# Altium PCB SmallHat_V4.PcbDoc (continued)
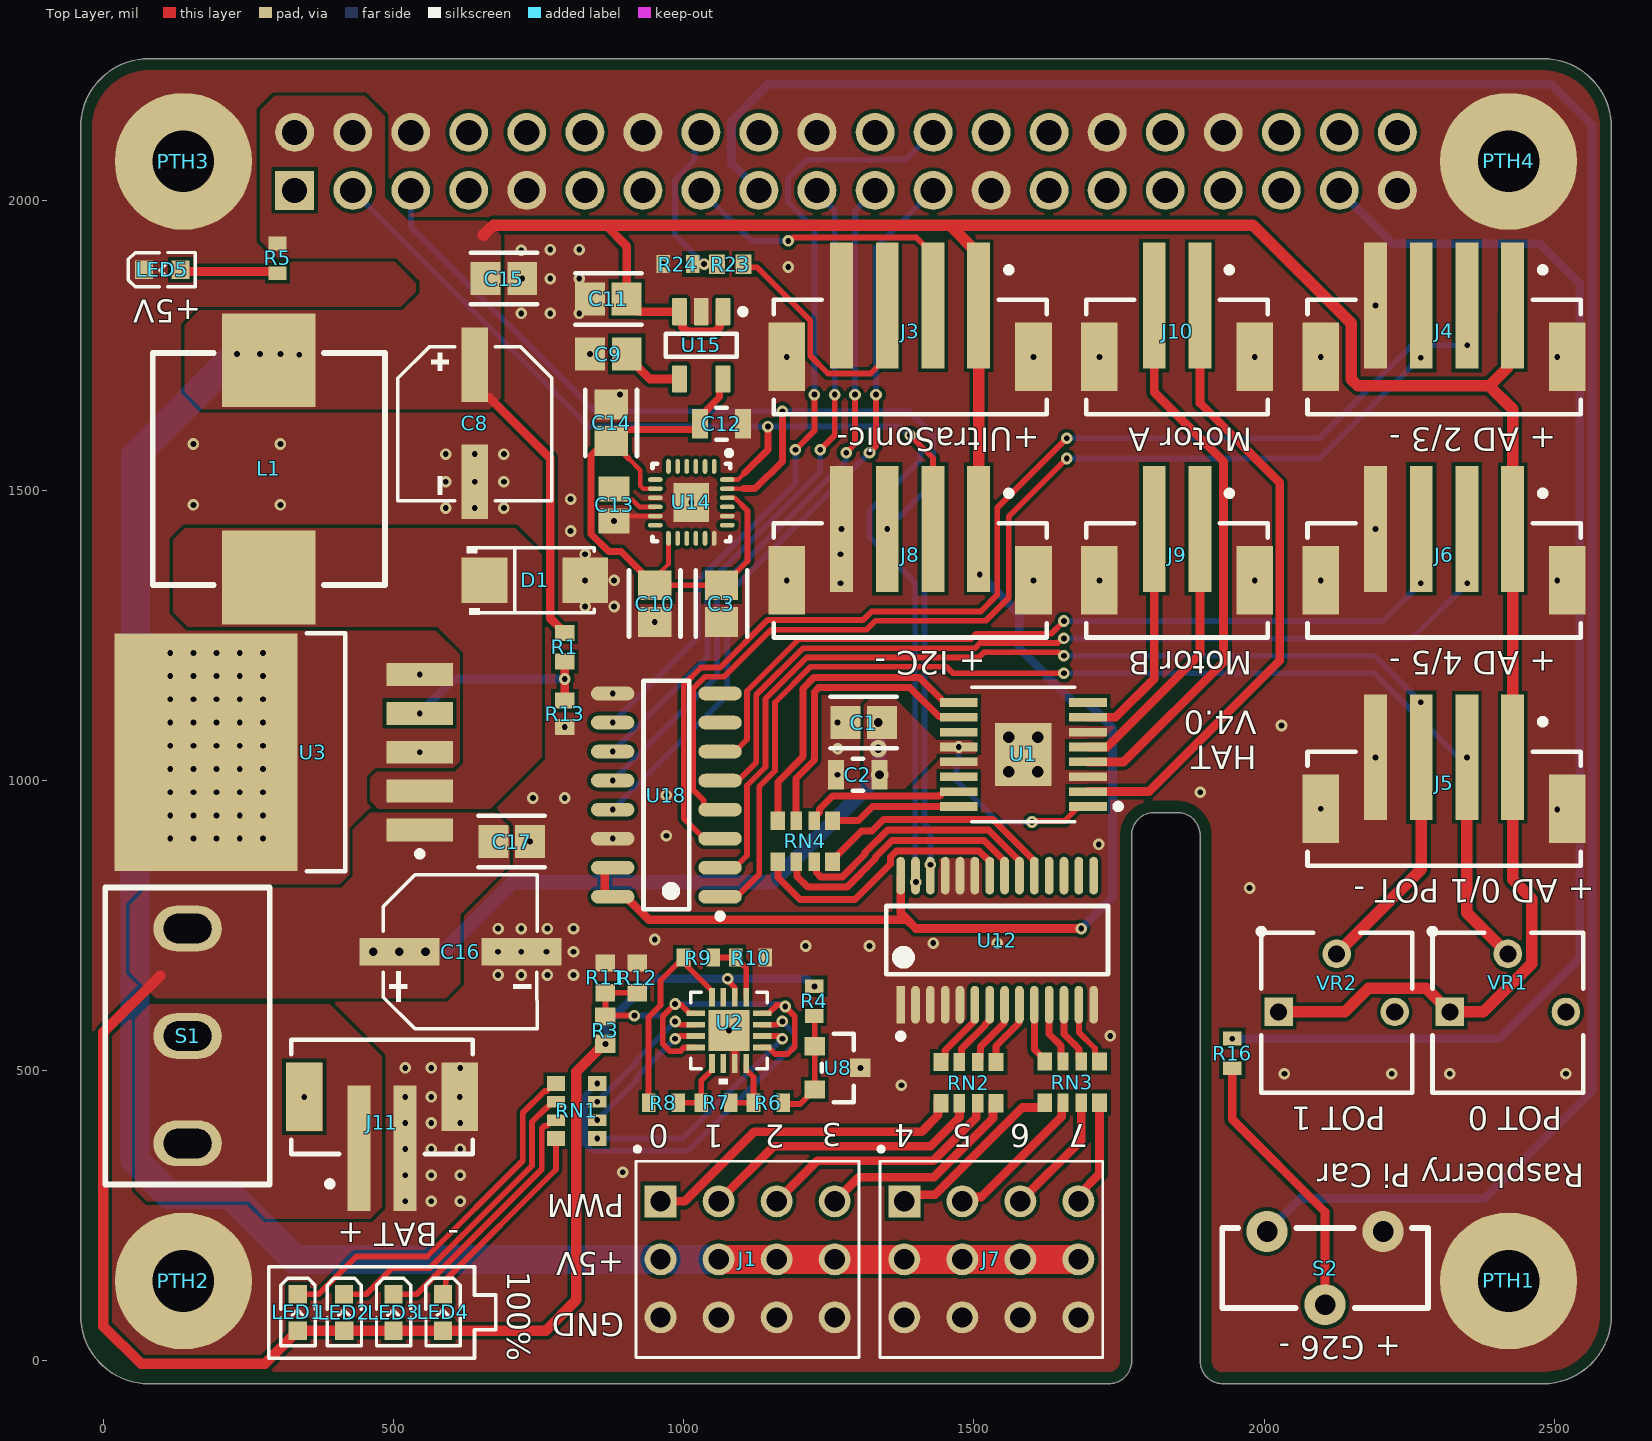
[diagram p0: Top Layer view]
## Part data
C1 C3 C10 C11 C14 C15 C17: library part CMP-2100-03606-3, "50V 100nF X7R ±10% 0805 Multilayer Ceramic Capacitors MLCC - SMD/SMT ROHS", Capacitance="100 nF", JLCPCB Part #=C1711, Manufacturer=Yageo, Package=CC0805-0.85, Part Number=CC0805KRX7R9BB104, Temperature="-30°C to +85°C", Temperature Characteristic=X7R, Temperature Range High=+85°C, Temperature Range Low=-30°C, Tolerance=0.1, Voltage Rating="50 V", Automotive=No, Category=Cap, ComponentLink2Description=Datasheet, ComponentLink2URL=http://www.yageo.com/documents/recent/UPY-GPHC_Y5V_6.3V-to-50V_8.pdf, Device Class L1="Passive Components", Device Class L2=Capacitors, Device Class L3="Ceramic Capacitors", Digikey Description="CAP CER 0.1UF 50V X7R 0805", Footprint Url=http://www.yageo.com/exep/pages/download/literatures/UPY-C_GEN_24.pdf, Height=0.95mm, Ipc Land Pattern Name=CAPC200125X85, Lead Free=Yes, Material=Ceramic, Mouser Description="Multilayer Ceramic Capacitors MLCC - SMD/SMT 100nF 50V X7R 10%", Octopart=https://octopart.com/cc0805krx7r9bb104-yageo-192993, RoHS=TRUE
C2 C12: library part CMP-2007-03541-2, "25V 10uF X5R ±10% 0805 Multilayer Ceramic Capacitors MLCC - SMD/SMT ROHS", Case Code (Imperial)=0805, Case Code (Metric)=2012, Dielectric=X5R, JLCPCB Part #=C15850, Max Operating Temperature=85°C, Min Operating Temperature=-55°C, Package Quantity=1, Part Number=GRM21BR61E106KA73L, Tolerance=10%, Voltage=25V, Capacitance=10uF, Case/Package=0805, Depth=1.25mm, Height=1.25mm, Lead Free="Lead Free", Length=2mm, Material=Ceramic, Mount="Surface Mount", Packaging="Tape and Reel", Radiation Hardening=No, Termination=SMD/SMT, Thickness=0.053inch, Voltage Rating=25V, Voltage Rating (DC)=25V, Width=0.049inch
C8: library part CMP-001-00090-1, "220uF 10V 90mA@120Hz ±20% SMD, D6.3xL5.4mm Aluminum Electrolytic Capacitors - SMD ROHS", JLCPCB Part #=C3345, Part Number=RVT1A221M0605
C9: library part CMP-2007-03708-1, "50V 10nF X7R ±10% 0805 Multilayer Ceramic Capacitors MLCC - SMD/SMT ROHS", JLCPCB Part #=C1710, Manufacturer=Kemet, Part Number=C0805F103K5RACTU
C13: library part CMP-2007-03234-1, "50V 1uF X7R ±10% 0805 Multilayer Ceramic Capacitors MLCC - SMD/SMT ROHS", JLCPCB Part #=C28323, Manufacturer=Kemet, Part Number=C0805C105K3RACTU
C16: library part CMP-001-00087-2, "100uF 16V 63mA@120Hz ±20% SMD, D6.3xL5.4mm Aluminum Electrolytic Capacitors - SMD ROHS", Capacitor Type=Electrolytic, JLCPCB Part #=C37308, Part Number=RVT1C101M0605
D1: library part CMP-004-00033-3, "40V Independent Type 3A 550mV@3A SMA(DO-214AC) Schottky Diodes ROHS", JLCPCB Part #=C8678, Part Number=SS34
J1 J7: library part CMP-023-000000-3, "2.54mm Pin Headers ROHS=Gold 1kV 3A Direct Insert Policy 2.5mm 260℃ 3mm 12P -40℃~+105℃ 6mm 2.54mm Triple row Brass 3x4P Plugin,P=2.54mm Pin Headers ROHS=2.54mm Pin Headers ROHS", JLCPCB Part #=C32713291, Package=None, Part Number=TSW-104-07-L-T, Arrow_Electronics-Purchase-URL=https://snapeda.com/shop?store=Arrow+Electronics&id=1068516, Availability=Unavailable, Centerline_Pitch="2.54 mm[.1 in]", Component Type=Standard, Design Item ID=5-103817-2, DigiKey-Purchase-URL=https://snapeda.com/shop?store=DigiKey&id=1068516, EU_RoHS_Compliance=Compliant, MF="TE Connectivity", Mouser-Purchase-URL=https://snapeda.com/shop?store=Mouser&id=1068516, MP=5-103817-2, Number_of_Positions=12, Pin Count=12, Price=None, Product_Type=Connector, SnapEDA_Link=https://www.snapeda.com/parts/5-103817-2/TE%20Connectivity%20AMP%20Connectors/view-part/1068516/?ref=snap, Source=5-103817-2.SchLib
J2: library part CMP-002-00076-7, "2.54mm 2.54mm Double Row 40P Brass Direct Insert 2x20P Plugin,P=2.54mm Female Headers ROHS", JLCPCB Part #=C35165, Part Number=2.54-2*20P母长PC104
J3 J4 J5 J6 J8: library part CMP-002-00074-1, "2.0mm pitch/Disconnectable Insulation displacement and Crimp style connectors", JLCPCB Part #=C160354, Part Number=B4B-PH-SM4-TB(LF)(SN)
J9 J10 J11: library part CMP-002-00073-1, "1x2P 2P PH Tin 2 -25℃~+85℃ 2A 1 2mm Brass Alloy Standing paste SMD,P=2mm Wire To Board Connector ROHS", JLCPCB Part #=C160352, Part Number=B2B-PH-SM4-TB
L1: library part CMP-006-00021-2, "3.7A 47uH Integrated molded inductor ±20% 4.5A SMD,10x11.5mm Power Inductors ROHS", JLCPCB Part #=C5359268, Part Number=FXL1050-470-M
LED1 LED2 LED3 LED4 LED5: library part CMP-007-00038-5, "-40℃~+85℃ Red 0603 LED Indication - Discrete ROHS", JLCPCB Part #=C2286, Part Number=KT-0603R
PTH1 PTH2 PTH3 PTH4: library part CMP-00030-00001-4, "DO NOT PLACE", P&P Comment="NO NOT PLACE"
R1: library part CMP-2000-00466-1, "100mW Thick Film Resistors 75V ±100ppm/℃ ±1% 3.74kΩ 0603 Chip Resistor - Surface Mount ROHS", JLCPCB Part #=C137728, Manufacturer=Panasonic, Part Number=ERJ-3EKF3741V
R3: library part CMP-2000-00046-1, "100mW Thick Film Resistors 75V ±100ppm/℃ ±1% 36kΩ 0603 Chip Resistor - Surface Mount ROHS", JLCPCB Part #=C23147, Manufacturer=Panasonic, Part Number=ERA3AEB363V
R4 R5 R16 R24: library part CMP-2000-06937-1, "100mW Thick Film Resistors 75V ±100ppm/℃ ±1% 2kΩ 0603 Chip Resistor - Surface Mount ROHS", JLCPCB Part #=C22975, Manufacturer=Yageo, Operating Temperature=-55°C~155°C, Package / Case=0603(1608Metric), Package Description="2-Pin Surface Mount Device, Body 1.6 x 0.8 mm", Package Reference=0603, Part Number=RC0603FR-072KL, Power (Watts)=0.1W,1/10W, Standard Package=1, Temperature Coefficient=±100ppm/°C, Tolerance=±1%, Catalog Drawings=ThickFilmResistorTopThickFilmResistorSide, Category=Resistors, Composition=ThickFilm, Datasheet URL=http://www.yageo.com/documents/recent/PYu-RC_Group_51_RoHS_L_7.pdf, Datasheet Version="Rev. 7, 05/2017", EDA / CAD Models=DownloadfromAcceleratedDesigns, Family=ChipResistor-SurfaceMount, Features=MoistureResistant, Height="0.022\"(0.55mm)", HTML Datasheet=RCSeries,LSuffixDatasheet.html, Kits=PHH4-KIT-ND-RESKIT1K-9.76K1/10W5700PCS, Manufacturer URL=http://www.yageo.com/, Mounting Technology=SurfaceMount, Number of Terminations=2, Online Catalog=RC0603Series, Other Names=311-2.00KHRCT, Packaging=CutTape(CT), PCN Other=RC/AC0603/0805/120622/Jan/2013, Product Training Modules=ChipResistor, Resistance (Ohms)=2k, Series=RC, Size / Dimension="0.063\"Lx0.031\"W(1.60mmx0.80mm)", Supplier Device Package=0603
R6: library part CMP-2000-06933-1, "100mW Thick Film Resistors 75V ±100ppm/℃ ±1% 27kΩ 0603 Chip Resistor - Surface Mount ROHS", Case Code - in=0603, Case Code - mm=1608, JLCPCB Part #=C22967, Manufacturer=Yageo, Operating Temperature Range=-55Cto+155C, Package Description="2-Pin Surface Mount Device, Body 1.6 x 0.8 mm", Part Number=RC0603FR-0727KL, Power Rating=100mW, Resistance=27kOhms, Temperature Coefficient=100PPM/C, Tolerance=1%, Voltage Rating=50V, Datasheet URL=http://www.yageo.com/documents/recent/PYu-RC_Group_51_RoHS_L_7.pdf, Datasheet Version="Rev. 7, 05/2017", Manufacturer URL=http://www.yageo.com/, Mounting Technology=SurfaceMount, Package Reference=0603, Packaging=Reel, Product=ThickFilmResistorsGeneralPurpose, Series=RC, Termination Style=SMD/SMT
R7 R8 R9: library part CMP-2000-04040-1, "100mW Thick Film Resistors 75V ±100ppm/℃ ±1% 3kΩ 0603 Chip Resistor - Surface Mount ROHS", JLCPCB Part #=C4211, Manufacturer=Yageo, Part Number=RC0603FR-073KL
R10: library part CMP-2000-06938-1, "100mW Thick Film Resistors 75V ±100ppm/℃ ±1% 33kΩ 0603 Chip Resistor - Surface Mount ROHS", Case Code - in=0603, Case Code - mm=1608, JLCPCB Part #=C4216, Manufacturer=Yageo, Operating Temperature Range=-55Cto+155C, Package Description="2-Pin Surface Mount Device, Body 1.6 x 0.8 mm", Part Number=RC0603FR-0733KL, Power Rating=100mW, Resistance=33kOhms, Temperature Coefficient=100PPM/C, Tolerance=1%, Voltage Rating=50V, Datasheet URL=http://www.yageo.com/documents/recent/PYu-RC_Group_51_RoHS_L_7.pdf, Datasheet Version="Rev. 7, 05/2017", Manufacturer URL=http://www.yageo.com/, Mounting Technology=SurfaceMount, Package Reference=0603, Packaging=Reel, Product=ThickFilmResistorsGeneralPurpose, Series=RC, Termination Style=SMD/SMT
R11 R12: library part CMP-1012-00650-3, "100mW Thick Film Resistors 75V ±100ppm/℃ ±1% 18kΩ 0603 Chip Resistor - Surface Mount ROHS", JLCPCB Part #=C25810, Manufacturer=Panasonic, Part Number=ERJ3EKF1802V
R13 R23: library part CMP-2000-02979-1, "100mW Thick Film Resistors 75V ±100ppm/℃ ±1% 1.13kΩ 0603 Chip Resistor - Surface Mount ROHS", JLCPCB Part #=C137782, Manufacturer="Vishay Dale", Part Number=CRCW06031K13FKEA
RN1: library part CMP-009-00177-2, "4 ±5% 10kΩ 62.5mW ±200ppm/℃ 0603x4 Resistor Networks, Arrays ROHS", JLCPCB Part #=C29718, Part Number=4D03WGJ0103T5E, RoHS Compliant=Yes
RN2 RN3 RN4: library part CMP-009-00185-2, "4 ±5% 100Ω 62.5mW ±200ppm/℃ 0603x4 Resistor Networks, Arrays ROHS", JLCPCB Part #=C25506, Part Number=4D03WGJ0101T5E, RoHS Compliant=Yes
S1: library part CMP-011-00018-2, "Horizontal Plug 6A Single Pole Double Throw (SPDT) 120V 120V 6A 10000 times Black Plugin Slide Switches ROHS", JLCPCB Part #=C2879832, Part Number=SS-12M11G3
S2: library part CMP-011-00015-2, "300mA Direct Insert Single Pole Double Throw (SPDT) 6V 10,000 times Black Plugin Slide Switches ROHS", JLCPCB Part #=C145860, Part Number=K3-1235D-K1
U1: library part CMP-00024-00008-1, "1.65-V to 11-V, 4-A, dual H-bridge motor driver with current regulation 16-HTSSOP -40 to 125", JLCPCB Part #=C18212622, Part Number=PDRV8411PWPR
U2: library part CMP-014-00002-6, "Operational Amplifier, 4 Func, 9000uV Offset-Max, BIPolar, PQCC16", Case/Package=HVQCCN, JLCPCB Part #=C183029, Max Operating Temperature=70°C, Min Operating Temperature=0°C, Nominal Supply Voltage=5V, Channels=4, Part Number=LM324QT, Pins=16, RoHS Compliant=Yes
U3: library part CMP-0069-00272-2, "Step-down type Adjustable 40V 1.2V~37V 3A TO-263-5 DC-DC Converters ROHS", JLCPCB Part #=C347423, Manufacturer="National Semiconductor", PackageTopMarking="NSUZXYTTE#*LM2596S*-ADJ P+", PowerWise=N, Code_JEDEC=MO-169-AB, ComponentLink1Description="LM2596 Datasheet", ComponentLink1URL=http://www.national.com/ds/LM/LM2596.pdf, ComponentLink2Description="LM2596 Web Page", ComponentLink2URL=http://www.national.com/pf/LM/LM2596.html, ComponentLink3Description="TS5B Package Page", ComponentLink3URL=http://www.national.com/packaging/folders/ts5b.html, CompType=Switcher, DatasheetVersion=May-2002, PackageDescription="TO-263, Molded, .400 x .390 x .180in, 5 Lead, .067in Pitch, Surface Mount", PackageReference=TS5B, PackageVersion="revD, Apr-2005", Part Number=LM2596S-ADJ(UMW), PinCount=5, RevisionNote="Component URLs added", RoHS=N
U8: library part CMP-12755-000001-1, "2.495V~36V ±1% 100mA Adjustable SOT-23 Voltage Reference ROHS", Ambient Temperature Range High=+125°C, Ambient Temperature Range Low=-40°C, JLCPCB Part #=C145101, Manufacturer="DIODES INC.", Max Junction Temp=+150°C, Max Power Dissipation=330mW, Package=SOT23, Temperature="to +150°C", Automotive=No, Category=IC, ComponentLink2Description=Datasheet, ComponentLink2URL=https://www.diodes.com/assets/Datasheets/TL431_432.pdf, Device Class L1="Integrated Circuits (ICs)", Device Class L2="Power Management ICs", Device Class L3="Voltage References", Digikey Description="IC VREF SHUNT ADJ SOT23-3", Footprint Url=https://www.diodes.com/assets/Package-Files/SOT23.pdf, Height=1.1mm, Ipc Land Pattern Name=SOT92P240X102-3, Lead Free=Yes, Manufacturer Part Number=TL431ASA-7, Mouser Description="V-Ref Adjustable 2.495V to 36V 100mA 3-Pin SOT-23 T/R", Octopart=https://octopart.com/tl431asa-7-diodes+inc.-18832779, Output Type=AdjustableProgrammable, Part Number=TL431ASA-7, Reference Type=Shunt, RoHS=TRUE, Standoff Height=0.013mm, Temperature Range High=+150°C
U12: library part CMP-1595-00003-3, "IC LED DRIVER RGBA 28-TSSOP", Ambient Temperature Range High=+85°C, Ambient Temperature Range Low=-40°C, JLCPCB Part #=C2678753, Manufacturer="NXP Semiconductors", Max Power Dissipation=400mW, Max Supply Voltage=5.5V, Min Supply Voltage=2.3V, Nominal Supply Current=6mA, Output Current=25mA, Output Voltage=5V, Package=SOT361-1, Temperature="-40°C to +85°C", Automotive=No, Category=IC, Ciiva Ids=1426473, ComponentLink2Description=Datasheet, ComponentLink2URL=https://www.nxp.com/docs/en/data-sheet/PCA9685.pdf, Device Class L1="Integrated Circuits (ICs)", Device Class L2="Power Management ICs", Device Class L3="LED Drivers", Digikey Description="IC LED DRIVER RGBA 28-TSSOP", Dimming=I2C,PWM, Footprint Url=https://www.nxp.com/docs/en/package-information/SOT361-1.pdf, Height=1.1mm, Import Ts=1521846855, Lead Free=Yes, Manufacturer Part Number=PCA9685PW,118, Mouser Description="LED Display Drivers I2C Bus LED Controller 28-Pin", Number Of Outputs=16, Octopart=https://octopart.com/pca9685pw%2C118-nxp+semiconductors-11853435, Part Number=PCA9685PW,118, Release Date=1454319143, RoHS=TRUE, Standoff Height=0.05mm, Temperature Range High=+85°C, Temperature Range Low=-40°C
U14: library part CMP-031-00007-7, "Accelerometer and Gyroscope Compass 9-Axis Digital 24-Pin QFN T/R", Case/Package=QFN, JLCPCB Part #=C726001, Max Operating Temperature=85°C, Max Supply Voltage=3.6V, Min Operating Temperature=-40°C, Min Supply Voltage=1.71V, Mounting Technology="Surface Mount", Part Number=ICM-20948
U15: library part CMP-0394-00328-2, "200mA 70dB Fixed 1.8V Positive electrode 5.5V SOT-23-5 Voltage Regulators - Linear, Low Drop Out (LDO) Regulators ROHS", JLCPCB Part #=C7102, Manufacturer="Texas Instruments", Rating=Catalog, Accuracy(%)=2, Code_JEDEC=MO-178, ComponentLink1Description="Manufacturer URL", ComponentLink1URL=http://www.ti.com/, ComponentLink2Description=Datasheet, ComponentLink2URL=http://www.ti.com/general/docs/lit/getliterature.tsp?genericPartNumber=TPS79318&fileType=pdf, ComponentLink3Description="Package Specification", ComponentLink3URL=http://www.ti.com/litv/pdf/mpds018i, DatasheetVersion=SLVS348K, Eco-Plan="Green (RoHS & no Sb/Br)", Fixed Output Options(V)=1.8, Iout(Max)(A)=0.2, Iq(Typ)(mA)=0.2, Mounting Technology="Surface Mount", PackageDescription="5-Pin Plastic Small Outline, Body 1.60 Ãƒâ€” 2.90 mm, Pitch 0.95 mm", PackageReference=DBV0005A, PackageVersion=4073253-4/K, Part Number=TPS79318DBVR, SubFamily="Single Channel LDO", Vdo(Typ)(mV)=112, Vin(Max)(V)=5.5, Vin(Min)(V)=2.7, Vout Adj(Max)(V)=1.8, Vout Adj(Min)(V)=1.8
U18: library part CMP-0188-00041-2, "2.7V 4-Channel/8-Channel 10-Bit A/D Converters with SPI Serial Interface, 16-Pin SOIC 150mil, Industrial Temperature", Code_IPC=SOIC127P600-16, Code_JEDEC=MS-012-AC, ComponentLink1Description="Manufacturer URL", ComponentLink1URL=http://www.microchip.com/, ComponentLink2Description=Datasheet, ComponentLink2URL=http://ww1.microchip.com/downloads/en/DeviceDoc/21295d.pdf, ComponentLink3Description="Package Specification", ComponentLink3URL=http://www.microchip.com/stellent/groups/techpub_sg/documents/packagingspec/en012702.pdf, DatasheetVersion="revD, Dec-2008", PackageDescription="16-Lead Plastic Small Outline (SL) - Narrow, 3.90mm Body [SOIC]", PackageReference=SOIC-SL16, PackageVersion="revBB, Aug-2009", RevisionNote="URLs added."
VR1 VR2: library part CMP-00001-1, "±10% ±100ppm/℃ 500mW 10kΩ Plugin-3P,7x6.6mm Potentiometers, Variable Resistors ROHS", Case/Package=2628, JLCPCB Part #=C58159, Max Operating Temperature=125°C, Min Operating Temperature=-55°C, Package Height=4.7mm, Package Length=6.6mm, Package Shape=Rectangular, Package Width=6.99mm, Power=500mW, Rated Temperature=70°C, Resistance Law=Linear, Resistor Type=TRIMMER, Temperature Coefficient (ppm/Cel)=-100,100, Tolerance=10%, Actuator Orientation=Vertical, Actuator Type=SCREW, Construction="Trimmer Pot", JESD-609 Code=e3, Lead Diameter=0.46mm, Lead Length=5.46mm, Mounting Technology="Through Hole", Number of Turns=1, Packaging=Rail/Tube, Part Number=3362P-1-103LF, Pins=3, Reach SVHC Compliant=Yes, RoHS Compliant=Yes, Rotational Angle=240°, Technology=CERMET, Terminal Finish=Tin, Termination=Wire

## Via types
v1: diameter 20, hole 10, Top Layer to Bottom Layer, 220 vias
v2: diameter 30, hole 15, Top Layer to Bottom Layer, 6 vias
v3: diameter 40, hole 20, Top Layer to Bottom Layer, 4 vias

## Nets (pads, with @x,y where several pads share a name; then routed paths per layer and width w, separated by ;. In a path a pad name is that pad's centre, name@x,y a point inside that pad or via, vN(x,y) a via of type N, cw(c..) or ccw(c..) an arc to the next point about the centre after c; other vN are vias at no path point)
1.8V: C3.2 C10.1 C12.1 C14.2 U14.8 U14.13 U14.22 U15.5 | length 1122.7
  Top Layer w8: 905,1555 925,1535 925,1507.68 929.69,1502.99 U14.8 ; C10.1@951.94,1351.53 973.62,1373.21 U14.13 ; U14.22 1075.06,1487.18 1087.82,1487.18 1100,1475
  Top Layer w10: C14.2@854.97,1567.95 854.97,1571.52 854.97,1588.29 866.71,1588.29 C14.2@870.26,1584.74 ; C14.2@877.98,1585 898.67,1564.32 898.67,1561.33 905,1555 ; C10.1@950,1350 C10.1 1067.98,1336.53 1110,1378.54 1110,1465 1100,1475
  Top Layer w12: C10.1 936.35,1350.18 933.36,1350.18 927.33,1356.21 927.33,1359.19 892.16,1394.37 870.7,1394.37 840,1425.07 840,1560.12 851.4,1571.52 854.97,1571.52 861.52,1571.52 C14.2 894.68,1604.68 1019.82,1604.68 1027.6,1612.46 C12.1 ; C12.1@1036.38,1635.59 1061.68,1660.9 1061.68,1686.21 U15.5
1IN+: R9.2 R10.2 U2.1 | length 117.1
  Top Layer w10: R9.2 R10.2 1089.41,691.06 1096.22,684.25 1100.16,684.25 1107.53,676.88 U2.1
1OUT: RN1.4 U2.15 | length 640.3
  Top Layer w10: U2.15 1161.66,579.37 1167.29,585 v1(1170,585)
  Bottom Layer w10: v1(850.87,477.99) 829.57,456.69 829.57,374.69 842.05,362.21 1007.33,362.21 1191.3,546.18 1191.3,563.82 1170.12,585 v1(1170,585)
2IN+: R8.2 R9.1 U2.4 | length 363.6
  Top Layer w10: R8.2 939.41,592.16 960,612.75 960,655.59 R9.1 1006.22,688.19 1006.22,679.78 1048.47,637.53 U2.4
2OUT: RN1.3 U2.6 | length 232.4
  Top Layer w10: v1(985.06,584.94) 987.77,584.94 993.34,579.37 U2.6
  Bottom Layer w10: v1(850.87,446.5) 917.56,513.19 917.56,517.68 984.82,584.94 v1(985.06,584.94)
3.3V: J2.1 J2.17 S2.3 | length 4002.2
  Bottom Layer w15: J2.17 1082.26,2064.19 1082.26,2136.51 1145.76,2200 2494.59,2200 2565,2129.59 2565,465 2380,280 2062.01,280 S2.3
3IN+: R7.2 R8.1 U2.9 | length 114.6
  Top Layer w10: R8.1 R7.2 1030,483.06 1048.47,501.53 U2.9
3OUT: RN1.2 U2.7 | length 233.5
  Top Layer w10: v1(985,555) 987.71,555 992.39,559.69 U2.7
  Bottom Layer w10: v1(850.87,415) 918.61,482.74 918.61,488.61 v1(985,555)
4IN+: R6.2 R7.1 U2.12 | length 111.5
  Top Layer w10: R7.1 R6.2 1120,489.06 1107.53,501.53 U2.12
4OUT: RN1.1 U2.14 | length 427.1
  Top Layer w10: U2.14 1162.61,559.69 1167.29,555 v1(1170,555)
  Bottom Layer w10: v1(850.87,383.51) 998.51,383.51 v1(1170,555)
5V: C8.1 C11.1 C15.1 J1.5 J1.6 J1.7 J1.8 J2.2 J2.4 J3.1 J4.1 J5.1 J6.1 J7.5 J7.6 J7.7 J7.8 J8.1 L1.2 R1.1 R5.2 U12.28 U15.1 U15.3 U18.15 U18.16 VR1.1 VR2.1 | length 9942.1
  Top Layer w15: 665,1660 770,1555 770,1279.61 785.77,1263.84 785.77,1260.89 792.05,1254.61 R1.1 ; U18.16@863.7,800 U18.15@863.7,850 ; 865,1957.22 901.53,1920.69 C11.1 ; U18.16 900.74,800 907.38,793.36 907.38,792.62 940,760 1385,760 ; C11.1@901.53,1827.02 919.71,1808.83 922.69,1808.83 923.46,1808.07 U15.3 997.89,1802.78 997.89,1781.74 1006.68,1772.95 1053.32,1772.95 1062.11,1781.74 1062.11,1802.78 U15.1 ; U12.28 1373.66,771.34 1385,760 ; v1(1685,745) 1400,745 1385,760
  Top Layer w20: 655,1940 672.22,1957.22 865,1957.22 1458.06,1957.22 ; J8.1 J3.1 1508.11,1907.17 1458.06,1957.22 ; VR2.1 2138.9,601.38 2179.8,642.28 2279.09,642.28 VR1.1 2377.85,601.38 2460.91,684.43 2460.91,796.69 2428.11,829.48 J5.1 J6.1 2428.11,1639.56 2387.67,1680 ; J4.1 2418.43,1808.9 2418.43,1710.76 2387.67,1680 ; 1458.06,1957.22 1980.54,1957.22 2150,1787.75 2150,1691.72 2161.72,1680 2387.67,1680
  Top Layer w50: J1.6 J1.7 J1.8 J7.5 J7.6 J7.7 J7.8
  Bottom Layer w15: v1(1510,1355) 1578.05,1286.95 1578.05,1228.29 1671.34,1135 1695,1135 1738.8,1091.2 1738.8,798.8 v1(1685,745)
  Bottom Layer w50: v1@340,1735 v1(305,1735) v1(270,1735) v1(230,1735) 55,1560 55,885 54.65,884.65 54.65,345.65 113.09,287.2 217.8,287.2 330,175 J1.5 J1.6
  other v1: 337.37,1733.92
AD0: J5.2 U18.1 VR1.2 | length 2012
  Top Layer w10: U18.1@1091.3,800 1130,838.7 1130,989.83 1157,1016.83 1157,1134.47 1218.53,1196 1452.9,1196 1463.9,1185 v1(1655,1185)
  Top Layer w20: v1(2349.37,1040) 2349.37,772.01 VR1.2
  Bottom Layer w10: v1(1655,1185) 2189.88,1185 2334.45,1040.43 2348.94,1040.43 v1(2349.37,1040)
AD1: J5.3 U18.2 VR2.2 | length 2003.6
  Top Layer w10: U18.2@1091.3,850 1092.56,851.26 1092.56,854.45 1108.92,870.81 1108.92,991.38 1141,1023.46 1141,1141.1 1211.9,1212 1508.25,1212 1517.25,1221 1646.29,1221 1652.29,1215 v1(1655,1215)
  Top Layer w20: VR2.2 2270.63,847.01 J5.3 2270,1040.63 v1(2270,1135)
  Bottom Layer w10: v1(1655,1215) 2190,1215 v1(2270,1135)
AD2: J4.2 U18.3 | length 1987.2
  Top Layer w10: U18.3 1035,900 1000.12,934.88 1000.12,1165.25 1029.87,1195 1062.71,1195 1144.66,1276.94 1309.32,1276.94 1323.87,1291.5 1511.5,1291.5 1540,1320 1540,1470 v1(1660,1590)
  Bottom Layer w10: v1(1660,1590) 2095,1590 2255,1750 v1(2350,1750)
AD3: J4.3 U18.4 | length 1826.4
  Top Layer w10: U18.4@1076.3,950 1040.8,950 1034.51,956.29 1034.51,965.49 1016.12,983.88 1016.12,1158.62 1036.5,1179 1069.34,1179 1150.34,1260 1315,1260 1330.5,1275.5 1520.5,1275.5 1560,1315 1560,1455 v1(1660,1555)
  Bottom Layer w10: v1(1660,1555) 2095,1555 2268.7,1728.7 v1(2270,1728.7)
AD4: J6.2 U18.5 | length 1482.9
  Top Layer w10: U18.5@1076.3,1000 1094.02,1000 1125,1030.98 1125,1147.72 1205.28,1228 1501.63,1228 1510.63,1237 1644.42,1237 1652.35,1244.94 v1(1655.06,1244.94)
  Bottom Layer w10: v1(1655.06,1244.94) 2254.94,1244.94 v1(2350,1340)
AD5: J6.3 U18.6 | length 1362.7
  Top Layer w10: U18.6@1076.3,1050 1088.11,1050 1109,1070.89 1109,1154.35 1198.65,1244 1495,1244 1504,1253 1633,1253 v1(1655,1275)
  Bottom Layer w10: v1(1655,1275) 2205,1275 v1(2270,1340)
AD6: U18.7
AD7: U18.8
B+: J11.1 S1.2 S1.3
B+SW: C1.1 C2.1 C16.1 C17.1 LED1.2 LED2.2 LED3.2 LED4.2 R3.2 R4.2 S1.1 U1.1 U1.12 U2.2 U3.1 | length 3882.2
  Top Layer w10: v1(1075.54,658.65) 1075.54,655.95 1087.84,643.64 U2.2 ; v1(1600,928.66) 1601.92,930.57 1656.09,930.57 1679.33,953.82 U1.1@1700,953.82
  Top Layer w18: 97.59,663.72 0,566.13 0,60 65,-5 277.95,-5 LED1.2 LED2.2 LED3.2 LED4.2 762.04,52.04 815,105 815,498.35 863.03,546.38 v1(865,546.38)
  Bottom Layer w10: v1(1473.76,1057.8) 1473.76,1029.43 1470,1025.66 1470,1000 1541.34,928.66 v1(1600,928.66)
  Bottom Layer w15: v1(865,546.38) 865.22,546.6 865.22,578.88 944.99,658.65 v1(1075.54,658.65) 1210,658.65 1223.65,645 v1(1225,645)
  Bottom Layer w25: v2(465,705) v2(509.77,705) v2(555,705) 585.73,705 705.73,825 1152.4,825 v2(1337.4,1010) 1336.45,1010.96 1336.45,1052.2 1335,1053.65 v2(1335,1055) v2(1335,1100)
Echo: J3.3 R23.2 | length 462.3
  Top Layer w10: R23.2 1108.2,1884.44 1126.24,1884.44 1217.9,1792.78 1217.9,1731.89 1248.48,1701.32 1321.94,1701.32 1350.63,1730 J3.3
FB: R1.2 R13.1 U3.4 | length 336.8
  Top Layer w15: R13.1 v1(795,1175) R1.2@795,1199.92
  Bottom Layer w15: v1(545,1115.79) 604.21,1175 v1(795,1175)
GND: C1.2 C2.2 C3.1 C8.2 C9.1 C10.2 C11.2 C12.2 C13.2 C14.1 C15.2 C16.2 C17.2 D1.2 J1.9 J1.10 J1.11 J1.12 J2.6 J2.9 J2.14 J2.20 J2.25 J2.30 J2.34 J2.39 J3.4 J3.5 J3.6 J4.4 J4.5 J4.6 J5.4 J5.5 J5.6 J6.4 J6.5 J6.6 J7.9 J7.10 J7.11 J7.12 J8.4 J8.5 J8.6 J9.3 J9.4 J10.3 J10.4 J11.2 J11.3 J11.4 LED5.1 PTH1.0 PTH2.0 PTH3.0 PTH4.0 R10.1 R11.1 R12.1 R13.2 R24.1 S2.1 U1.3 U1.6 U1.13 U1.17 U2.11 U2.17 U3.3 U3.5 U3.6 U8.3 U12.1 U12.2 U12.3 U12.4 U12.5 U12.14 U12.23 U12.24 U12.25 U14.9 U14.11 U14.18 U14.20 U14.25 U15.2 U18.9 U18.14 | length 125.3
  Top Layer w8: v1(880,1447.44) 888.31,1455.75 U14.11@940.75,1455.75
  Top Layer w10: v1(1078,569.53) 1087.84,559.69 U2.11
  other v1: 520,275 565,275 615,275 520,320 565,320 615,320 895,325 520,365 565,365 615,365 520,410 565,410 615,410 346.14,455 520,455 565,455 613.86,455 1375,475 2035,495 2220,495 2320,495 2520,495 520,505 565,505 615,505 1304.37,505 1735,560 680,665 720,665 765,665 810,665 680,705 720,705 763.43,705 810,705 1210,715 1320,715 1430,720 1540,720 950,726.2 680,745 720,745 765,745 810,745 1975,815 1715,890 735,895 115,900 155,900 195,900 235,900 275,900 877.48,900 970,905 115,940 155,940 195,940 235,940 275,940 2505,950 2097.4,951.42 740,970 795,970 970,975 115,980 155,980 195,980 235,980 275,980 1890,980 1265,1010 115,1020 155,1020 195,1020 235,1020 275,1020 2191.89,1040 545,1048.86 1265,1055 115,1060 155,1060 195,1060 235,1060 275,1060 795,1092.36 2030,1095 115,1100 155,1100 195,1100 235,1100 275,1100 1265.09,1100 115,1140 155,1140 195,1140 235,1140 275,1140 877.48,1150 115,1180 155,1180 195,1180 235,1180 275,1180 545,1182.72 115,1220 155,1220 195,1220 235,1220 275,1220 950,1273.47 830,1300 880,1300 1270,1340 830,1345 880,1345 1177.4,1345 1602.6,1345 1716.14,1345 1983.86,1345 2097.4,1345 2505,1345 830,1390 1270,1390 805,1430 1271.89,1433.58 2191.89,1433.58 590,1469.76 640,1469.76 690,1469.76 155,1475 305,1475 1012.99,1479.37 805,1485 590,1515 640,1515 690,1515 590,1562.6 640,1562.6 690,1562.6 155,1580 305,1580 890,1665 1177.4,1730 1602.6,1730 1716.14,1730 1983.86,1730 2097.4,1730 2505,1730 838.5,1735 720,1805 770,1805 820,1805 2191.89,1818.58 721.53,1865 770,1865 820,1865 1180,1885 964.41,1890 720,1913.7 770,1915 820,1915
  other v3: 1560,1015 1610,1015 1560,1075 1610,1075
"GPIO00 (I2C0_SDA)": J2.27
"GPIO01 (I2C0_SCL)": J2.28
"GPIO02 (I2C1_SDA)": J2.3 J8.2 U12.27 U14.24 | length 2281.6
  Top Layer w8: U14.24@1083.8,1518.8 1093.8,1518.8 1105,1530
  Top Layer w10: v1(1390,1595) 1429.37,1555.63 J8.2
  Top Layer w12: 1105,1530 1145,1570 v1(1145,1610)
  Bottom Layer w10: J2.3 836.46,1610 v1(1145,1610) 1372.29,1610 1387.29,1595 v1(1390,1595) 1407.05,1577.95 1407.05,1552.05 1320,1465 1320,1420 1399,1341 1399,826 v1(1400,825)
"GPIO03 (I2C1_SCL)": J2.5 J8.3 U12.26 U14.23 | length 2173.3
  Top Layer w8: U14.23 1102.99,1502.99
  Top Layer w10: U12.26 1424.92,836.31 1424.92,854.92 v1(1425,855)
  Top Layer w12: 1102.99,1502.99 1122.99,1502.99 1170,1550 v1(1170,1636.3)
  Bottom Layer w10: J2.5 529.76,2016.7 529.76,1953.46 846.93,1636.3 v1(1170,1636.3) 1388.7,1636.3 1430,1595 1430,1512.95 1415,1497.95 ; v1(1350.63,1433.58) 1415,1497.95 ; v1(1425,855) 1425,915.86 1415,925.86 1415,1497.95
"GPIO04 (GPCLK)": J2.7
GPIO05: J2.29
GPIO06: J2.31
"GPIO07 (SPI0_CE1)": J2.26
"GPIO08 (SPI0_CE0)": J2.24 U18.10 | length 1382.9
  Top Layer w10: v1(1192.3,1570) 1225,1602.7 v1(1225,1665)
  Bottom Layer w10: v1(877.48,1100) 1025,1247.52 1025,1345 1192.3,1512.3 v1(1192.3,1570) ; v1(1225,1665) 1225,1951.08 1179.76,1996.32 1179.76,2037.54 1211.89,2069.67 1349.11,2069.67 1349.44,2070 1382.6,2070 J2.24
"GPIO09 (MISO)": J2.21 U18.12 | length 1204.2
  Top Layer w10: v1(1280,1565) 1295,1580 v1(1295,1665)
  Bottom Layer w10: v1(877.48,1000) 1057,1179.52 1057,1328.46 1280,1551.46 v1(1280,1565) ; v1(1295,1665) 1295,1981.75 1329.53,2016.28 J2.21
"GPIO10 (MOSI)": J2.19 U18.11 | length 1138
  Top Layer w10: v1(1235,1570) 1260,1595 v1(1260,1665)
  Bottom Layer w10: v1(877.48,1050) 1041,1213.52 1041,1338.37 1235,1532.37 v1(1235,1570) ; J2.19 1229.53,2012.22 1260,1981.75 v1(1260,1665)
"GPIO11 (SCLK)": J2.23 U18.13 | length 1295.6
  Top Layer w10: v1(1320,1565) 1331.3,1576.3 v1(1331.3,1665)
  Bottom Layer w10: v1(877.48,950) 1075,1147.52 1075,1320 v1(1320,1565) ; v1(1331.3,1665) 1331.3,1918.7 J2.23
"GPIO12 (PWM0)": J2.32
"GPIO13 (PWM1)": J2.33
"GPIO14 (UART_TX)": J2.8
"GPIO15 (UART_RX)": J2.10
GPIO16: J2.36
GPIO17: J2.11
"GPIO18 (PWM0)": J2.12
GPIO19: J2.35
GPIO20: J2.38
GPIO21: J2.40
GPIO22: J2.15 J3.2 | length 538.7
  Top Layer w10: v1(1180,1930) 1182.71,1930 1188.56,1935.85 1400.68,1935.85 1429.37,1907.17 J3.2
  Bottom Layer w10: J2.15 1116.46,1930 v1(1180,1930)
GPIO23: J2.16 R23.1 R24.2 | length 308.1
  Top Layer w10: R24.2 v1(1035,1890) R23.1
  Bottom Layer w10: J2.16 1018.64,2106.04 1018.64,2069.34 984.76,2035.47 984.76,1940.24 v1(1035,1890)
GPIO24: J2.18
GPIO25: J2.22
GPIO26: J2.37 R16.1 | length 2299.7
  Bottom Layer w15: v1(1945,555) 2405,555 2544,694 2544,1856 2475,1925 2221.46,1925 J2.37
GPIO27: J2.13
IN-: R3.1 R11.2 R12.2 U2.5 U2.8 U2.13 U2.16 | length 788.2
  Top Layer w10: v1(915,595) 866.38,595 R3.1 R11.2 R12.2 ; U2.8 1000.12,540 993.82,533.7 976.18,533.7 963.7,546.18 963.7,593.82 984.88,615 v1(985,615) 986.91,613.09 995.97,613.09 1010,599.06 U2.5 ; U2.13 1146,540 1157.3,528.7 1178.82,528.7 1191.3,541.18 1191.3,593.82 1175,610.12 v1(1175,610.82) ; U2.16 1146,599.06 1160.03,613.09 v1@1173.09,613.09
  Bottom Layer w10: v1(915,595) 965,595 v1(985,615) 1168.11,615 1172.29,610.82 v1(1175,610.82)
MotorA+: J10.2 U1.4 | length 968.9
  Top Layer w15: U1.4 1758.15,1032.2 1930,1204.06 1930,1550 1810.63,1669.37 J10.2
MotorA-: J10.1 U1.2 | length 1092.8
  Top Layer w15: U1.2 1801.02,981.02 2026.85,1206.85 2026.85,1513.15 1889.37,1650.63 J10.1
MotorB+: J9.2 U1.7 | length 400
  Top Layer w15: U1.7 1743.98,1108.98 1810.63,1175.63 J9.2
MotorB-: J9.1 U1.5 | length 475.4
  Top Layer w15: U1.5 1729.64,1057.8 1889.37,1217.53 J9.1
NetC13_1: C13.1 U14.10 | length 83.9
  Top Layer w8: C13.1 897.65,1484.91 910.09,1484.91 923.5,1471.5 U14.10
NetLED1_1: LED1.1 RN1.5 | length 644
  Top Layer w10: LED1.1 370.51,115.01 435.5,180 557.69,180 722.69,345 722.69,427.5 760.52,465.34 764.4,465.34 777.05,477.99 RN1.5
NetLED2_1: LED2.1 RN1.6 | length 546.9
  Top Layer w10: LED2.1 452.74,115.01 497.74,160 562.37,160 738.69,336.31 738.69,412 761.27,434.59 762.18,434.59 774.09,446.5 RN1.6
NetLED3_1: LED3.1 RN1.7 | length 445.4
  Top Layer w10: LED3.1 540.01,115.01 755.25,330.25 755.25,400.03 760.52,405.31 764.4,405.31 774.09,415 RN1.7
NetLED4_1: LED4.1 RN1.8 | length 349.3
  Top Layer w10: LED4.1 589.89,119.89 589.89,139.89 780,330 RN1.8
NetLED5_2: LED5.2 R5.1 | length 168.5
  Top Layer w15: LED5.2@132.69,1880 LED5.2@132.96,1880 ; LED5.2@132.96,1877.2 297.2,1877.2 R5.1
NetR4_1: R4.1 R6.1 U8.1 U8.2 | length 197.8
  Top Layer w10: R6.1 1173.58,442.6 1200.63,442.6 1212.91,454.88 1212.91,456.85 1223.66,467.6 U8.2 U8.1 R4.1@1225.63,598.48
NetR16_2: R16.2 S2.2 | length 473.7
  Top Layer w15: R16.2 1945,416.69 2105,256.69 S2.2
NetRN2_5: RN2.5 U12.9 | length 115.5
  Top Layer w12: RN2.5 1537.99,542.53 1577.81,582.36 1577.81,613.19 U12.9
NetRN2_6: RN2.6 U12.8 | length 117.9
  Top Layer w12: RN2.6 1510.34,518.84 1510.34,530.78 1511.34,531.78 1511.34,541.34 1552.22,582.22 1552.22,613.19 U12.8
NetRN2_7: RN2.7 U12.7 | length 120.4
  Top Layer w12: RN2.7 1478.84,518.84 1478.84,537.91 1519.04,578.11 1519.04,579.7 1527.2,587.86 U12.7
NetRN2_8: RN2.8 U12.6 | length 122.8
  Top Layer w12: RN2.8 1450.31,521.8 1450.31,534.83 1501.04,585.57 1501.04,613.19 U12.6
NetRN3_5: RN3.5 U12.13 | length 112.7
  Top Layer w10: U12.13 1680.75,566.18 1708.69,538.23 1708.69,523.67 RN3.5
NetRN3_6: RN3.6 U12.12 | length 110.3
  Top Layer w12: U12.12 1655.16,563.18 1681.16,537.18 1681.16,519.71 RN3.6
NetRN3_7: RN3.7 U12.11 | length 107.8
  Top Layer w12: U12.11 1629.57,563.18 1649.66,543.09 1649.66,519.71 RN3.7
NetRN3_8: RN3.8 U12.10 | length 105.4
  Top Layer w12: U12.10 1603.98,536.86 1622.01,518.82 RN3.8
NetRN4_5: RN4.5 U12.22 | length 481.8
  Top Layer w12: RN4.5 1162.01,832.99 1200,795 1295,795 1356.17,856.17 1356.17,868.57 1366.41,878.82 1508.9,878.82 1527.2,860.52 U12.22
NetRN4_6: RN4.6 U12.21 | length 465.8
  Top Layer w12: RN4.6 1195.27,858.23 1195.27,834.73 1213.75,816.25 1280.88,816.25 1330.47,865.83 1330.47,868.33 1358.96,896.82 1517.3,896.82 1551.17,862.96 1551.17,837.87 U12.21
NetRN4_7: RN4.7 U12.20 | length 454.9
  Top Layer w12: RN4.7 1228.84,856.16 1228.84,841.28 1235.87,834.25 1273.43,834.25 1312.47,873.29 1312.47,875.79 1351.5,914.82 1524.89,914.82 1578.39,861.33 U12.20
NetRN4_8: RN4.8 U12.19 | length 434.1
  Top Layer w12: RN4.8 1256.49,862.95 1306.41,912.87 1324.09,912.87 1344.05,932.82 1532.48,932.82 1603.98,861.33 U12.19
NR: C9.2 U15.4 | length 110.7
  Top Layer w15: C9.2 901.5,1732.05 941.61,1691.93 U15.4
PWM0: J1.1 RN2.1 | length 563.1
  Top Layer w15: J1.1 1001.59,275 1121.59,395 1410,395 1438.21,423.21 RN2.1@1438.21,446.72
PWM1: J1.2 RN2.2 | length 499.2
  Top Layer w15: J1.2 1155,370 1425,370 1475,420 RN2.2
PWM2: J1.3 RN2.3 | length 431.1
  Top Layer w15: J1.3 1230,345 1429.7,345 1504.16,419.46 RN2.3@1504.16,446.6
PWM3: J1.4 RN2.4 | length 360.6
  Top Layer w15: J1.4 1301.3,316.3 1430.7,316.3 1532.69,418.3 RN2.4@1532.69,446.85
PWM4: J7.1 RN3.1 | length 314.2
  Top Layer w15: J7.1 1391.21,286.21 1432.81,286.21 1583.35,436.75 1616.71,436.75 1622.01,442.05 RN3.1
PWM5: J7.2 RN3.2 | length 256.5
  Top Layer w15: J7.2 1487.65,282.65 1512.65,282.65 1651.16,421.16 1651.16,442.66 RN3.2
PWM6: J7.3 RN3.3 | length 213.5
  Top Layer w15: J7.3 1685,380 RN3.3
PWM7: J7.4 RN3.4 | length 185.1
  Top Layer w15: J7.4 1680,285.82 1716.49,322.31 RN3.4
PWM12: RN4.1 U1.16 | length 227.4
  Top Layer w12: RN4.1 1300.87,930.87 1325.43,955.43 U1.16
PWM13: RN4.2 U1.15 | length 276.1
  Top Layer w12: RN4.2 1225,936.78 1233.69,945.47 1233.69,950.76 1256.37,973.43 1441.08,973.43 1447.18,979.53 1472.27,979.53 U1.15
PWM14: RN4.3 U1.10 | length 508
  Top Layer w12: RN4.3 1193.5,1003.83 1224.91,1035.24 1224.91,1079.91 1225,1080 1225,1152.97 1232.03,1160 1390,1160 1439.53,1110.47 1472.27,1110.47 U1.10
PWM15: RN4.4 U1.9 | length 540.2
  Top Layer w12: RN4.4 1162.01,997.8 1205.33,1041.12 1205.33,1158.76 1224.57,1178 1405.24,1178 1447.18,1136.06 1472.27,1136.06 U1.9
SW: D1.1 L1.1 U3.2
pads on no net: U1.8 U1.11 U1.14 U2. U2.3 U2.10 U12.15 U12.16 U12.17 U12.18 U14.1 U14.2 U14.3 U14.4 U14.5 U14.6 U14.7 U14.12 U14.14 U14.15 U14.16 U14.17 U14.19 U14.21 VR1.3 VR2.3

## Polygon pours and split planes (outlines as drawn)
GND on Top Layer "GND_L01_P040" (solid, remove dead copper, pour order 40): -120,2275 2660,2275 2655,2270 2655,-75 -105,-75
5V on Top Layer "5V_L01_P031" (solid, pour order 31): 505,1900 545,1860 545,1840 515,1810 165,1810 140,1785 140,1670 170,1640 665,1640 685,1660 685,1940 660,1965 525,1965 485,2005 485,2145 450,2180 295,2180 270,2155 270,1930 300,1900
B+SW on Top Layer "B+SW_L01_P042" (solid, pour order 42): 1310,995 1320,985 1380,985 1440,1045 1500,1045 1505,1050 1505,1060 1495,1070 1435,1070 1365,1140 1330,1140 1325,1145 1310,1130
B+SW on Top Layer "B+SW_L01_P035" (solid, pour order 35): 45,670 90,625 590,625 615,650 615,770 700,855 700,920 675,945 460,945 430,915 430,835 410,815 75,815 45,785
B+ on Top Layer "B+_L01_P037" (solid, pour order 37): 55,590 80,615 390,615 480,525 480,265 460,245 280,245 250,275 75,275 55,295
SW on Top Layer "SW_L01_P039" (solid, pour order 39): 470,1015 460,1005 460,965 475,950 665,950 755,1040 755,1390 710,1435 140,1435 120,1415 120,1290 145,1265 575,1265 620,1220 620,1030 605,1015
GND on Bottom Layer "GND_L02_P036" (solid, remove dead copper, pour order 36): -130,2290 2635,2290 2635,-65 2625,-55 -120,-55

## Silkscreen, mask and mechanical layers (free items; w line width, h text height)
Top Overlay:
  lines w6.22: 285,4.57 285,162.05 639.33,162.05 639.33,113.54 676.09,113.56 676.09,53.54 639.33,53.54 639.33,4.57 285,4.57
  text "+5V" at 168.78,1828.78 h39.37 r180
  text "+UltraSonic-" at 1613.26,1608 h40 r180
  text "Motor A" at 1979.96,1608 h40 r180
  text "+ AD 2/3 -" at 2503.27,1608 h40 r180
  text "+ I2C -" at 1519.96,1223 h40 r180
  text "Motor B" at 1979.96,1223 h40 r180
  text "+ AD 4/5 -" at 2503.27,1223 h40 r180
  text "HAT / V4.0" at 1986.98,1120 h40 r180
  text "+ AD 0/1 POT -" at 2569.91,830.08 h40 r180
  text "POT 1" at 2209.8,438 h40 r180
  text "POT 0" at 2513.3,438 h40 r180
  text "3" at 1272.13,409.84 h39.37 r180
  text "4" at 1397.13,407.87 h39.37 r180
  text "5" at 1497.13,407.87 h39.37 r180
  text "6" at 1597.13,407.87 h39.37 r180
  text "7" at 1697.13,407.87 h39.37 r180
  text "0" at 974.25,406.97 h39.37 r180
  text "1" at 1069.25,406.97 h39.37 r180
  text "2" at 1174.25,406.97 h39.37 r180
  text "Raspberry Pi Car" at 2551.57,339.67 h40 r180
  text "PWM" at 897.13,287.13 h39.37 r180
  text "- BAT +" at 613.29,238 h40 r180
  text "+5V" at 897.13,187.13 h39.37 r180
  text "100%" at 696.22,154.86 h39.37 r270
  text "GND" at 897.13,82.13 h39.37 r180
  text "+ G26 -" at 2236.19,42.13 h39.37 r180
Bottom Overlay:
  drawing of 69 lines, arcs and shapes, not listed
  text "https://github.com/Raspberry-Pi-Car" at 645,1800 h40 r180
  text "Made by:  / Matt Kubas, Ethan Morton, & Keeler Tardiff /  / Version 4.0" at 960,1510 h39.37 r180
Mechanical 1:
  the board outline again, w10

## Text inside footprints (layer, text, board x,y; h text height)
U2: Mechanical 13 "*" at 1092.37,623.03 h50 r270